# Altium PCB PowerSystem-v2.0.PcbDoc
Units mm, origin at the board's own origin, x right, y up, seen from the top; angles counter-clockwise.
Board outline 71.94 x 72 mm, 2 copper layers (Top Layer, Bottom Layer); 45 components, 23 nets, 232 pads, 7 vias.
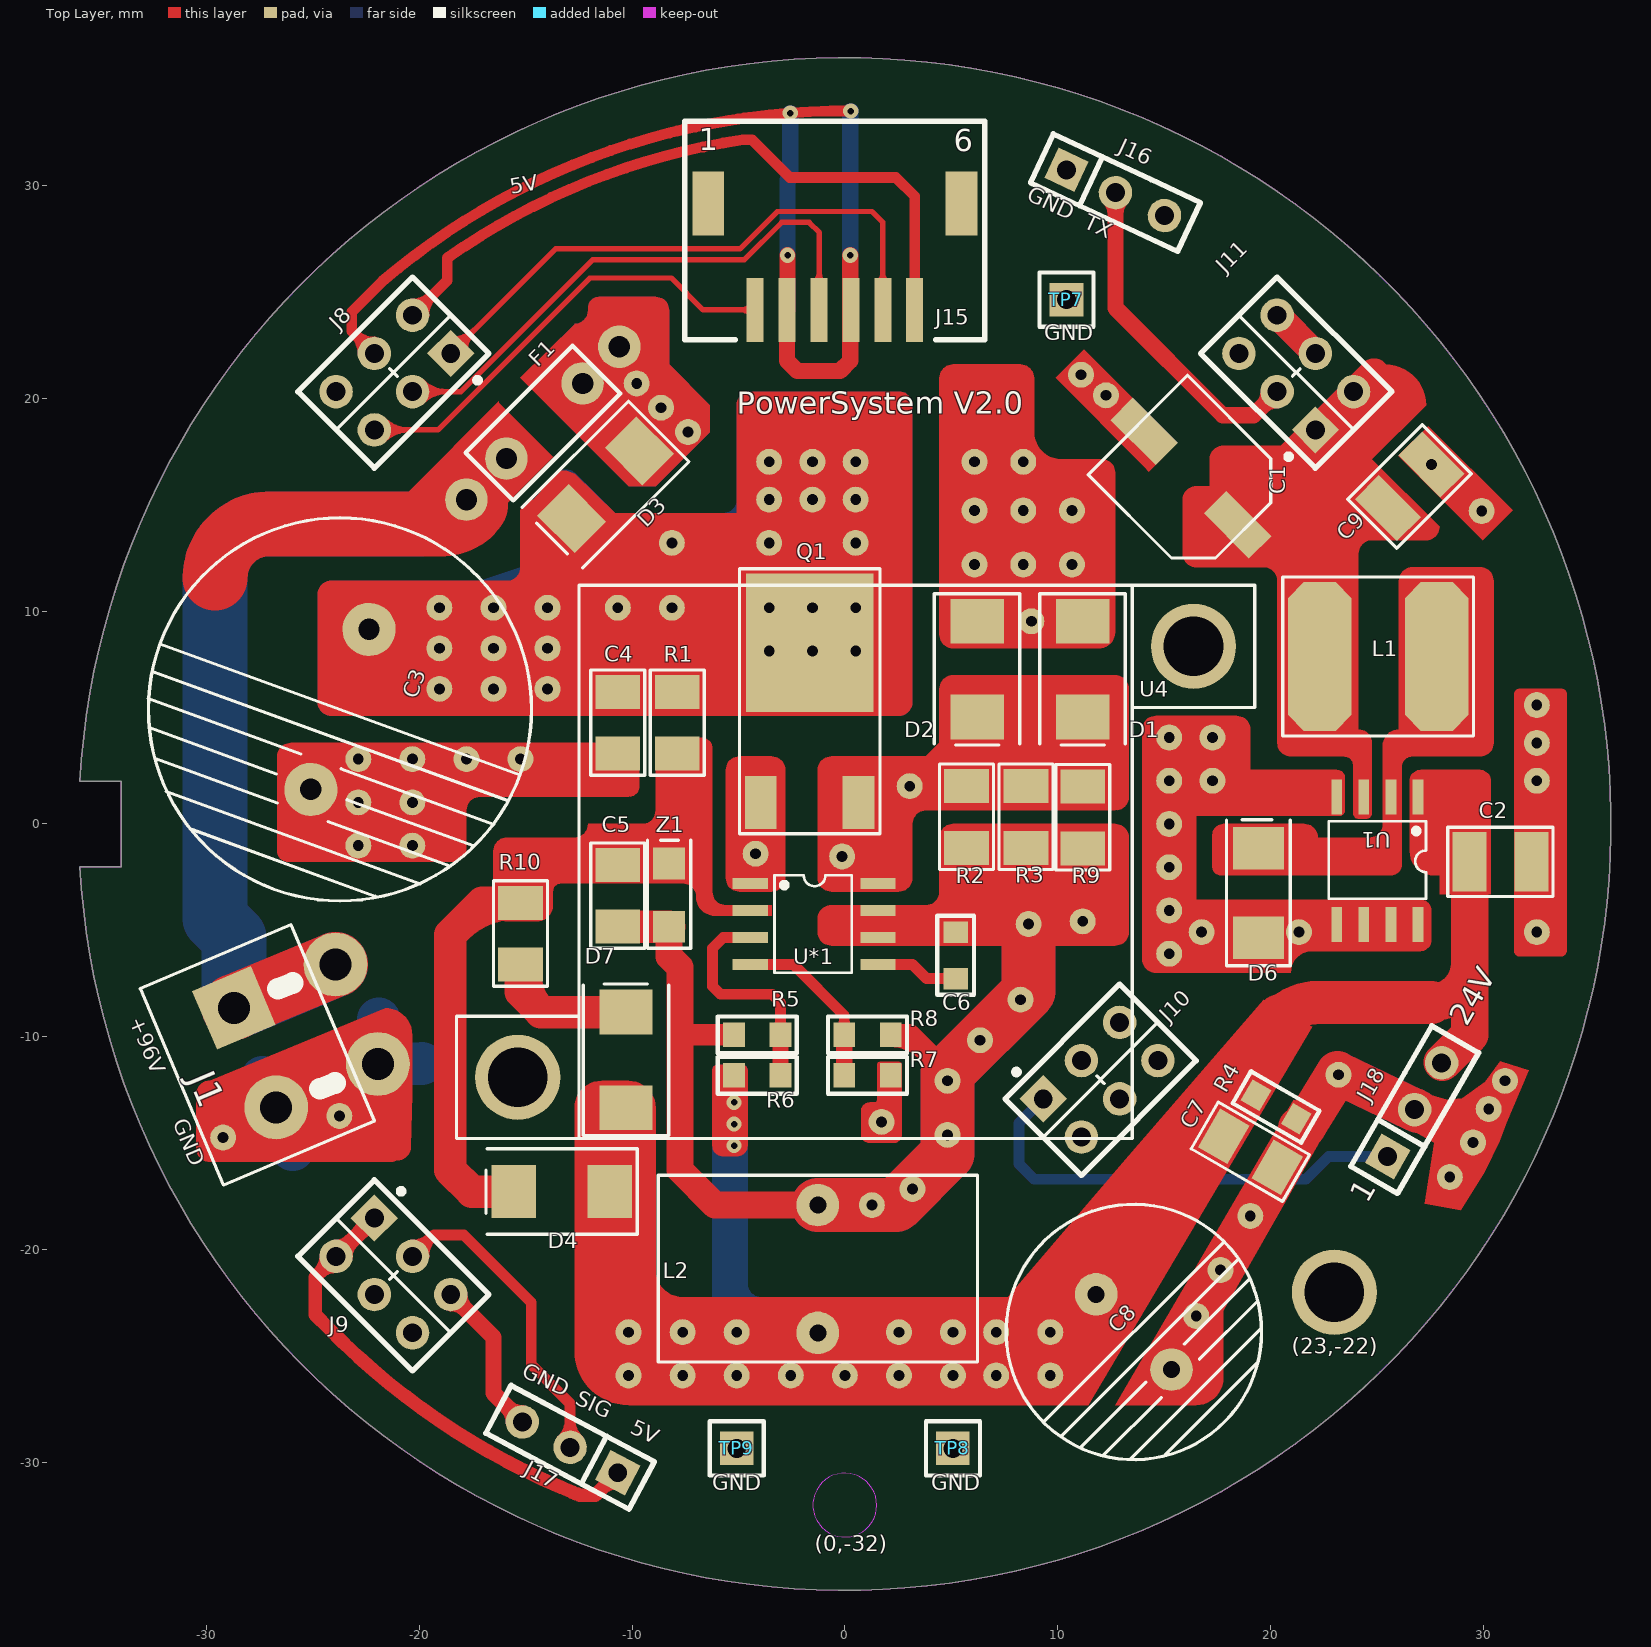
[diagram p0: Top Layer view]
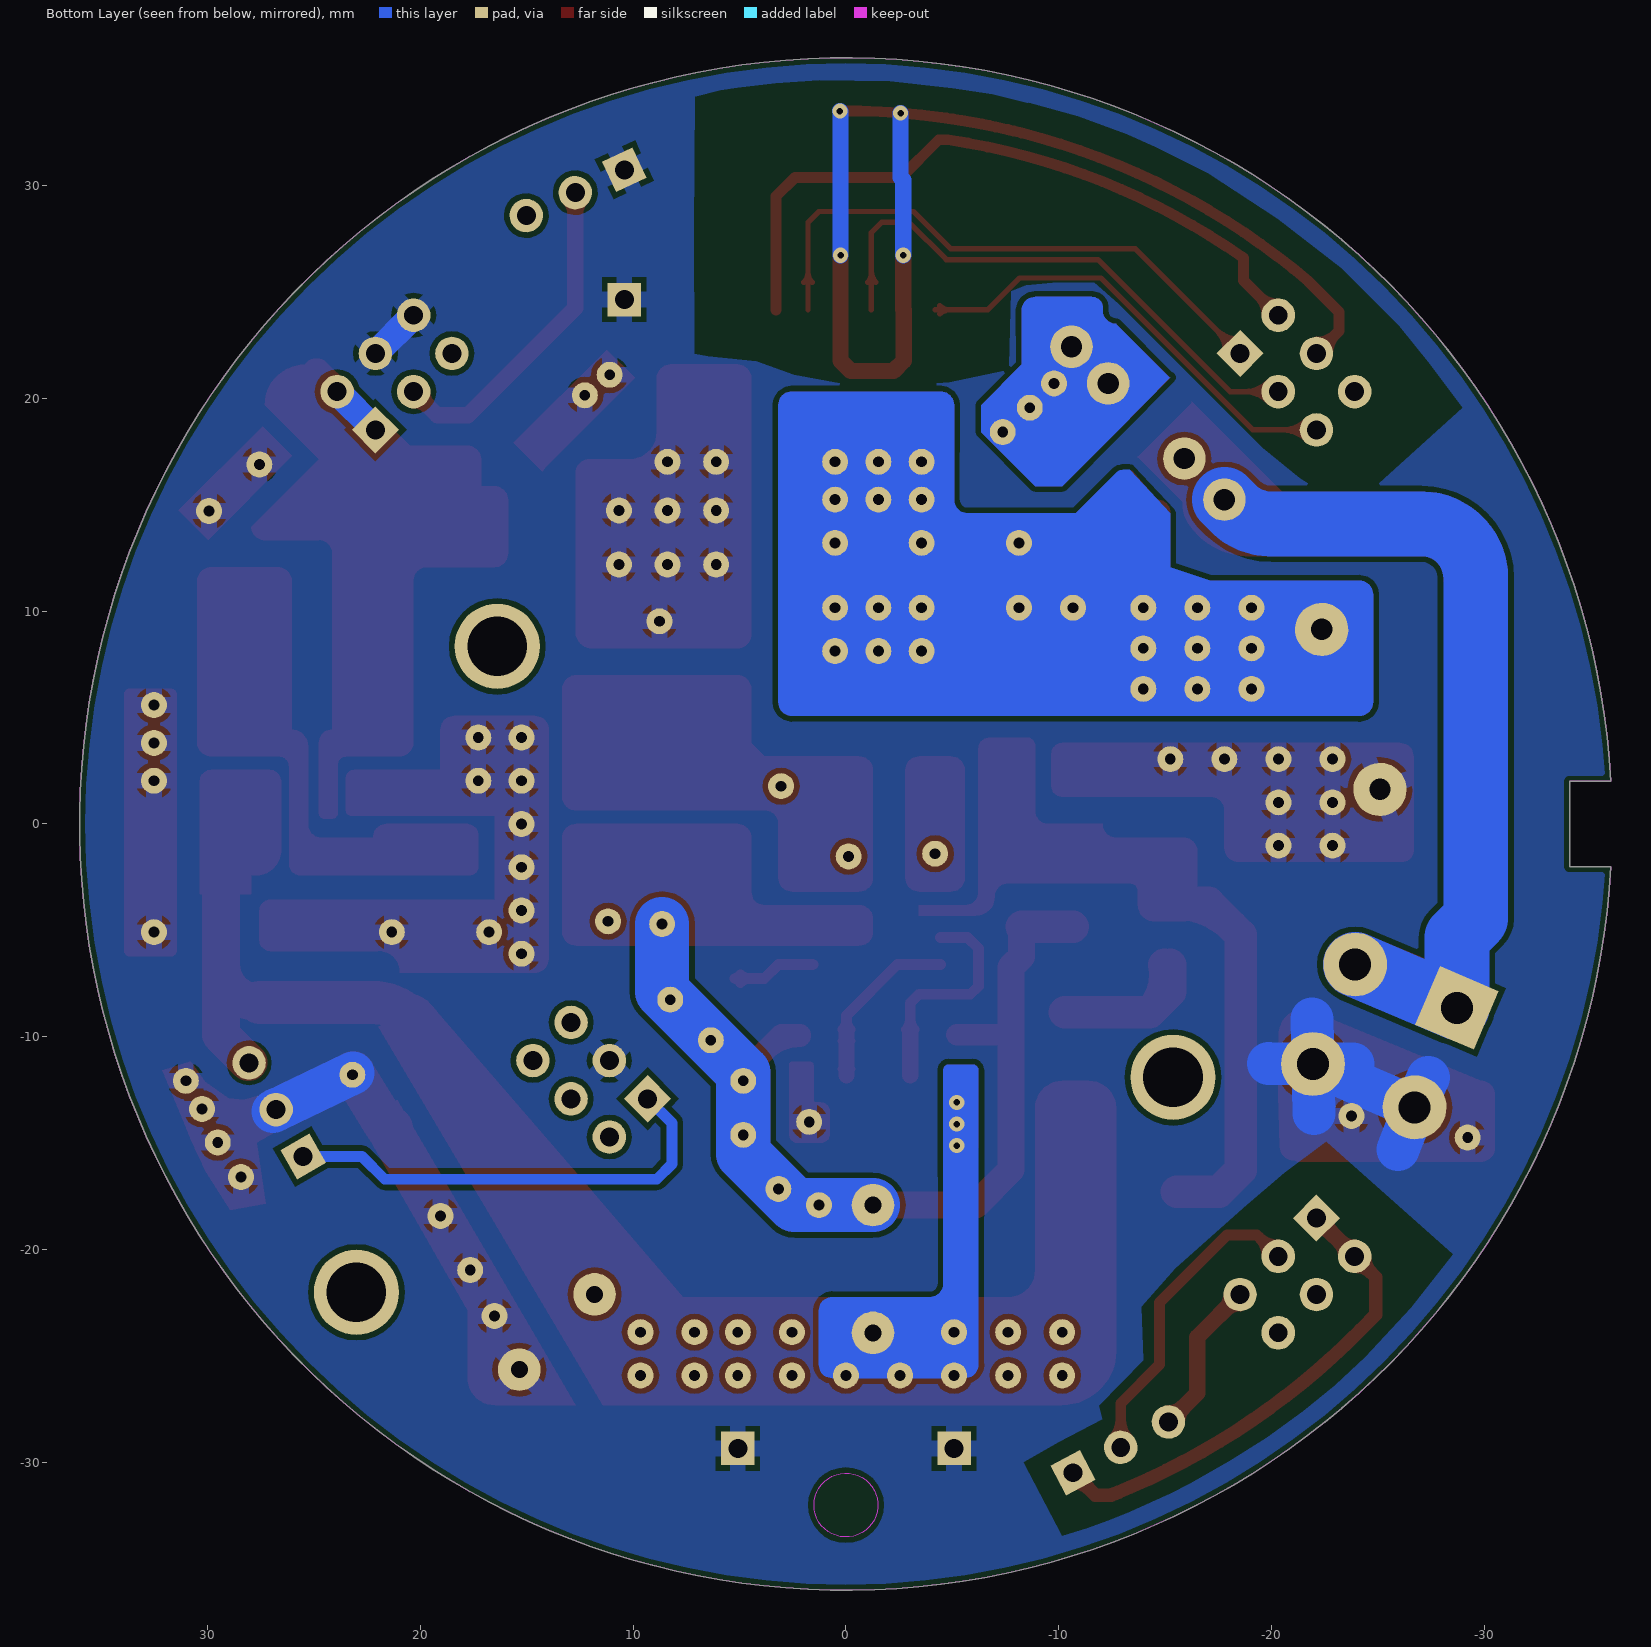
[diagram p1: Bottom Layer view, seen from below]

## Layer stack, top to bottom
Top Layer: signal copper 0.0356
Dielectric: dielectric 0.32, FR-4, Dk 4.8
Bottom Layer: signal copper 0.0356

## Board outline
-35.944,-2 -34,-2 -34,2 -35.944,2 cw(c0,0)

## Design rules (kind name [scope] priority, off if disabled: settings)
Clearance [All] p1: gap=0.254
ComponentClearance [All] p1: gap=-0.025 collisioncheckmode=3 verticalgap=-0.025 showdistances=FALSE
HoleSize [All] p1: absolutevalues=TRUE maxlimit=3.048 minlimit=0.025 maxpercent=80.000 minpercent=20.000
PlaneConnect [All] p1: planeconnectstyle=Relief reliefexpansion=0.508 reliefentries=4 reliefconductorwidth=0.762 reliefairgap=0.254
PolygonConnect [All] p1: connectstyle=Relief reliefconductorwidth=0.762 reliefentries=4 polygonreliefangle="90 Angle" airgapwidth=0.254
RoutingVias [All] p1: holewidth=0.711 width=1.27 viastyle="Through Hole" minholewidth=0.711 minwidth=1.27 maxholewidth=0.711 maxwidth=1.27
SilkToSilkClearance [All] p1: silktosilkclearance=-0.025
SolderMaskExpansion [All] p1: expansion=0.102
Width [All] p1: maxlimit=5.08 minlimit=0.254 preferedwidth=0.254 minimp=50.000000 maximp=50.000000 favimp=50.000000
24 further rules are at their usual default settings.

## Components (designator, comment, footprint, x,y, rotation, side; value= is the part's Value field where it differs from the comment)
C1 "100uF/16V" C+_6.3-7 14.986,17.526 r225 top
C2 "105/1210" 1210 32.258,-1.778 r180 top
C3 "330uF/250V" C-18-8 -22.352,9.144 r250 top locked
C4 "10uF/160V/1206" 1206 -10.668,3.302 r90 top
C5 "10uF/50V/1206" 1206 -10.668,-4.826 r90 top
C6 "4.7uF/0805" 0805 5.207,-5.08 r270 top
C7 "10uF/35V/1206" 1206 20.32,-16.129 r150 top
C8 "470uF/63V" C-12-5 11.811,-22.098 r315 top
C9 "105/1210" 1210 27.559,16.891 r225 top
D1 "SS510" DO-214AA 11.176,9.525 r270 top
D2 "SS510" DO-214AA 6.223,9.525 r270 top
D3 "S3M" S3M -9.652,17.526 r225 top
D4 "SS3200" S3M -11.049,-17.272 r180 top
D6 "SS34" SS34 19.431,-1.143 r270 top
D7 "BAV21W" S3M -10.287,-13.335 r90 top
F1 "FUSE" PPTC-10MM -17.78,15.24 r45 top
J1 "CON2" CON2-5.08 -28.702,-8.636 r293 top
J8 "CON3*2" CON3*2 -21.209,21.209 r225 top locked
J9 "CON3*2" CON3*2 -21.209,-21.209 r315 top locked
J10 "CON3*2" CON3*2 12.014,-12.014 r45 top locked
J11 "CON3*2" CON3*2 21.209,21.209 r135 top locked
J15 "CON6" CON6-1.5mm -4.216,24.155 r0 top
J16 "CON3" CON3 10.414,30.734 r335 top
J17 "CON3" CON3 -10.668,-30.48 r152 top
J18 "CON3" CON3 25.502,-15.621 r60 top
L1 "68uH/2A" L-CD75 27.813,7.874 r90 top
L2 "100uH/1mm" L-6MM -1.27,-17.907 r270 top locked
Q1 "HC080N10L" IRFR220N -1.651,1.016 r0 top
R1 "51K/1206" 1206 -7.874,3.302 r90 top
R2 "0R13/1%/1206" 1206 5.715,-1.122 r90 top
R3 "0R13/1%/1206" 1206 8.509,-1.122 r90 top
R4 "6.8K/0805" 0805 21.209,-13.843 r150 top
R5 "3.9K/1%/0805" 0805 -5.207,-9.906 r0 top
R6 "240K/1%/0805" 0805 -5.207,-11.811 r0 top
R7 "240K/1%/0805" 0805 2.159,-11.811 r180 top
R8 "3.9K/1%/0805" 0805 2.159,-9.906 r180 top
R9 "0R13/1%/1206" 1206 11.176,-1.143 r90 top
R10 "0R" 1206 -15.24,-6.604 r90 top
TP7 "TP" CON1 10.414,24.638 r0 top
TP8 "TP" CON1 5.08,-29.337 r0 top
TP9 "TP" CON1 -5.08,-29.337 r0 top
U1 "XL1509-5.0E1" XL1509 26.924,1.27 r180 top
U4 "FAN" FAN-26*26MM 0.508,-1.778 r180 top locked
U*1 "BZ1303A" BZ1303A -4.445,-2.794 r270 top
Z1 "27V/0.5W" SOD123 -8.255,-4.826 r90 top

## Footprints (in the part's own frame and the unit in brackets; to place one, negate y for a bottom-side part, rotate by r counter-clockwise, add the part's x,y. Pads: shape width x height; smd on the part's side, far side on the other; paste and mask are expansions set on the pad)
0805 [mil]
  rect 40x45 smd: 1(0,0) 2(86,0)
  silkscreen extent -30,-34 116,34
1206 [mm]
  rect 1.6x2.1 smd: 1(0,0) 2(2.9,0)
  silkscreen extent -1.02,-1.27 3.94,1.27
1210 [mm]
  rect 1.6x2.8 smd: 1(0,0) 2(2.9,0)
  silkscreen extent -1.02,-1.63 3.94,1.63
BZ1303A [mil]
  rect 20x65 smd: 1(0,0) 2(50,0) 3(100,0) 4(150,0) 5(150,236.22) 6(100,236.22) 7(50,236.22) 8(0,236.22)
  silkscreen extent -15,45 165,188
C+_6.3-7 [mm]
  rect 1.5x3 smd: A(0,4.9) K(0,-1.3)
  silkscreen extent -3.3,-1.73 3.3,5.27
C-12-5 [mm]
  round 2 hole 0.8: A(0,0) K(5,0)
  silkscreen extent -3.5,-6 8.5,6
C-18-8 [mm]
  round 2.5 hole 1: A(0,0) K(8,0)
  silkscreen extent -5,-9 13,9
CON1 [mil]
  rect 62x62 hole 35: 1(0,0)
  silkscreen extent -50,-50 50,50
CON2-5.08 [mm]
  rect 3x3 hole 1.5: 1(0,0)
  round 3 hole 1.5: 2(5.08,0)
  silkscreen extent -2.55,-3.7 7.48,4
CON3 [mil]
  rect 62x62 hole 35: 1(0,0)
  round 62 hole 35: 2(100,0) 3(200,0)
  silkscreen extent -50,-50 250,50
CON3*2 [mil]
  rect 62x62 hole 35: 1(-100,50)
  round 62 hole 35: 2(-100,-50) 3(0,50) 4(0,-50) 5(100,50) 6(100,-50)
  silkscreen extent -150,-100 150,125
CON6-1.5mm [mm]
  rect 0.8x3 smd: 1(0,0) 2(1.5,0) 3(3,0) 4(4.5,0) 5(6,0) 6(7.5,0)
  rect 1.5x3 smd: ""(-2.2,5) ""(9.7,5)
  silkscreen extent -3.3,-1.4 10.79,8.86
DO-214AA [mm]
  rect 2.1x2.5 smd: A(0,0) K(4.5,0)
  silkscreen extent -1.3,-2.02 5.82,2
FAN-26*26MM [mm]
  round 4 hole 2.8: 1(-15.875,-10.125) 2(15.875,10.125)
  silkscreen extent -18.75,-13 18.75,13
IRFR220N [mm]
  rect 6x6.5 smd: D(0,7.5)
  rect 1.5x2.5 smd: G(-2.3,0) S(2.3,0)
  silkscreen extent -3.3,-1.47 3.3,10.97
L-6MM [mm]
  round 2 hole 0.8: 1(0,0) 2(6,0)
  silkscreen extent -1.4,-7.5 7.37,7.5
L-CD75 [mm]
  oct 7x3 smd: 1(0,0) 2(0,5.5)
  silkscreen extent -3.73,-1.73 3.73,7.24
PPTC-10MM [mm]
  round 2 hole 1: 1(0,0) 2(10.16,0)
  silkscreen extent 1.52,-1.59 8.64,1.59
S3M [mm]
  rect 2.1x2.5 smd: A(0,0) K(4.5,0)
  silkscreen extent -1.3,-2.02 5.82,2
SOD123 [mm]
  rect 1.5x1.5 smd: A(0,0) K(2.972,0)
  silkscreen extent -1.02,-1.02 4.06,1.02
SS34 [mm]
  rect 2x2.4 smd: A(4.2,0) K(0,0)
  silkscreen extent -1.35,-1.5 5.51,1.5
XL1509 [mil]
  rect 20x65 smd: 1(0,0) 2(50,0) 3(100,0) 4(150,0) 5(150,236.22) 6(100,236.22) 7(50,236.22) 8(0,236.22)
  silkscreen extent -15,45 165,188

## Part data
C1 C3 C8: library part "C +"
C2 C4 C5 C6 C7 C9: library part C, "0603"
D1 D2 D3 D4 D7: library part D
D6 Z1: library part DI
L1 L2: library part L
Q1: library part MOS-N, "MOS-N"
R1 R2 R3 R4 R5 R6 R7 R8 R9 R10: library part R, "0603"

## Free pads (board coordinates)
  round 1.219 hole 0.508: 1(-29.21,-14.732) 1(-23.749,-13.716) 1(-22.86,-1.016) 1(-22.86,1.016) 1(-22.86,3.048) 1(-20.32,-1.016) 1(-20.32,1.016) 1(-20.32,3.048) 1(-19.05,6.35) 1(-19.05,8.255) 1(-19.05,10.16) 1(-17.78,3.048) 1(-16.51,6.35) 1(-16.51,8.255) 1(-16.51,10.16) 1(-15.24,3.048) 1(-13.97,6.35) 1(-13.97,8.255) 1(-13.97,10.16) 1(-10.668,10.16) 1(-10.16,-25.908) 1(-10.16,-23.876) 1(-9.779,20.701) 1(-8.636,19.558) 1(-8.128,10.16) 1(-8.128,13.208) 1(-7.62,-25.908) 1(-7.62,-23.876) 1(-7.366,18.415) 1(-5.08,-25.908) 1(-5.08,-23.876) 1(-4.191,-1.397) 1(-3.556,8.128) 1(-3.556,10.16) 1(-3.556,13.208) 1(-3.556,15.24) 1(-3.556,17.018) 1(-2.54,-25.908) 1(-1.524,8.128) 1(-1.524,10.16) 1(-1.524,15.24) 1(-1.524,17.018) 1(-0.127,-1.524) 1(0,-25.908) 1(0.508,8.128) 1(0.508,10.16) 1(0.508,13.208) 1(0.508,15.24) 1(0.508,17.018) 1(1.27,-17.907) 1(1.727,-13.995) 1(2.54,-25.908) 1(2.54,-23.876) 1(3.048,1.778) 1(3.175,-17.145) 1(4.826,-14.605) 1(4.826,-12.065) 1(5.08,-25.908) 1(5.08,-23.876) 1(6.096,12.192) 1(6.096,14.732) 1(6.096,17.018) 1(6.35,-10.16) 1(7.112,-25.908) 1(7.112,-23.876) 1(8.255,-8.255) 1(8.382,12.192) 1(8.382,14.732) 1(8.382,17.018) 1(8.636,-4.699) 1(8.763,9.525) 1(9.652,-25.908) 1(9.652,-23.876) 1(10.668,12.192) 1(10.668,14.732) 1(11.1,21.107) 1(11.176,-4.572) 1(12.268,20.142) 1(15.24,-6.096) 1(15.24,-4.064) 1(15.24,-2.032) 1(15.24,0) 1(15.24,2.032) 1(15.24,4.064) 1(16.51,-23.114) 1(16.764,-5.08) 1(17.272,2.032) 1(17.272,4.064) 1(17.653,-20.955) 1(19.05,-18.415) 1(21.336,-5.08) 1(23.19,-11.782) 1(27.559,16.891) 1(28.423,-16.586) 1(29.515,-14.961) 1(29.921,14.707) 1(30.251,-13.386) 1(31.013,-12.065) 1(32.512,-5.08) 1(32.512,2.032) 1(32.512,3.81) 1(32.512,5.588)
  round 3 hole 1.5: 1(-23.927,-6.604) 1(-21.942,-11.28)
  round 2 hole 1: 1(-15.9,17.17) 1(-12.319,20.701)
  round 4 hole 2.8: 1(23,-22)

## Via types
v1: diameter 0.711, hole 0.305, Top Layer to Bottom Layer, 7 vias

## Nets (pads, with @x,y where several pads share a name; then routed paths per layer and width w, separated by ;. In a path a pad name is that pad's centre, name@x,y a point inside that pad or via, vN(x,y) a via of type N, cw(c..) or ccw(c..) an arc to the next point about the centre after c; other vN are vias at no path point)
5V: C1.A C9.2 J11.1 J11.2 L1.2 U1.3 | length 11.1
  Top Layer w0.508: 18.058,17.042 20.142,17.042
  Top Layer w1.27: 20.142,17.042 20.634,17.042 J11.1 J11.2 24.827,21.234 24.917,21.234
  Bottom Layer w1.27: J11.1 J11.2
24V: C2.2 C7.2 C8.A D4.A D7.A J18.3 L2.2 pad.1@0,-25.908 pad.1@2.54,-23.876 pad.1@2.54,-25.908 pad.1@5.08,-23.876 pad.1@5.08,-25.908 pad.1@7.112,-23.876 pad.1@7.112,-25.908 pad.1@9.652,-23.876 pad.1@9.652,-25.908 pad.1@-2.54,-25.908 pad.1@-5.08,-23.876 pad.1@-5.08,-25.908 pad.1@-7.62,-23.876 pad.1@-7.62,-25.908 pad.1@-10.16,-23.876 pad.1@-10.16,-25.908 R4.2 R6.1 U1.1 | length 53
  Top Layer w1.778: 4.293,-26.365 4.318,-26.391 ; C8.A 15.494,-18.415 15.494,-15.707 ; 27.559,-8.382 ccw(c27.559,-6.583) 29.358,-6.583 ; J18.3@28.066,-11.197 29.358,-9.905 29.358,-6.583 ; C2.2 29.358,-6.583
  Top Layer w2.032: 20.465,-9.126 cw(c22.261,-10.922) 22.261,-8.382 27.559,-8.382
  Top Layer w2.286: 20.193,-9.398 20.465,-9.126
  Top Layer w2.54: -11.049,-21.59 -8.732,-23.907 L2.2 10.002,-23.907 C8.A
  other v1: -5.207,-15.113 -5.207,-14.097 -5.207,-13.081
GND: C1.K C2.1 C3.K C4.1 C7.1 C8.K C9.1 D1.A D2.A D6.A J1.2 J8.4 J9.5 J10.3 J11.4 J11.6 J15.2 J15.4 J16.1 J17.3 J18.2 pad.1@1.727,-13.995 pad.1@6.096,12.192 pad.1@6.096,14.732 pad.1@6.096,17.018 pad.1@8.382,12.192 pad.1@8.382,14.732 pad.1@8.382,17.018 pad.1@8.763,9.525 pad.1@10.668,12.192 pad.1@10.668,14.732 pad.1@11.1,21.107 pad.1@12.268,20.142 pad.1@15.24,0 pad.1@15.24,2.032 pad.1@15.24,4.064 pad.1@15.24,-2.032 pad.1@15.24,-4.064 pad.1@15.24,-6.096 pad.1@16.51,-23.114 pad.1@16.764,-5.08 pad.1@17.272,2.032 pad.1@17.272,4.064 pad.1@17.653,-20.955 pad.1@19.05,-18.415 pad.1@21.336,-5.08 pad.1@23.19,-11.782 pad.1@27.559,16.891 pad.1@28.423,-16.586 pad.1@29.515,-14.961 pad.1@29.921,14.707 pad.1@30.251,-13.386 pad.1@31.013,-12.065 pad.1@32.512,2.032 pad.1@32.512,3.81 pad.1@32.512,5.588 pad.1@32.512,-5.08 pad.1@-15.24,3.048 pad.1@-17.78,3.048 pad.1@-20.32,1.016 pad.1@-20.32,3.048 pad.1@-20.32,-1.016 pad.1@-21.942,-11.28 pad.1@-22.86,1.016 pad.1@-22.86,3.048 pad.1@-22.86,-1.016 pad.1@-23.749,-13.716 pad.1@-29.21,-14.732 R4.1 R7.1 TP7.1 TP8.1 TP9.1 U1.4 U1.5 U1.6 U1.7 U1.8 | length 110.6
  Top Layer w0.508: J8.4@-22.64,22.107 ccw(c-23.928,22.107) -23.018,23.018 ccw(c-22.107,23.928) J8.4@-22.107,22.64 ; J8.4 -23.165,23.165 -23.165,24.062 -21.734,25.493 cw(c0,0) -7.313,32.692 ; -7.882,32.559 cw(c0,0) -7.313,32.692 ; -6.741,32.815 ccw(c0,0) -7.313,32.692 ; -5.015,33.123 cw(c0,0) -4.436,33.205 ; v1(0.28,33.499) ccw(c0,0) -7.313,32.692
  Top Layer w0.762: J9.5@-18.515,-22.513 cw(c-18.515,-23.495) -17.821,-22.801 cw(c-17.127,-22.107) J9.5@-18.109,-22.107 ; J9.5 -16.51,-24.112 -16.51,-26.738 J17.3 ; J17.3@-15.56,-28.095 ccw(c-16.541,-28.095) -15.847,-27.401 ccw(c-15.153,-26.708) J17.3@-15.153,-27.689 ; v1(-2.692,26.721) -2.692,24.179 J15.2 -2.716,21.766 -2.235,21.285 -0.229,21.285 0.254,21.768 v1(0.254,26.721)
  Top Layer w1.27: J11.6 J11.4
  Top Layer w1.778: D2.A D1.A
  Top Layer w2.032: R4.1@21.358,-14.282 ccw(c21.227,-13.728) 21.711,-14.027 ; 21.59,-14.224 21.655,-14.118 23.15,-11.691 26.768,-13.428 J18.2@26.924,-13.503
  Bottom Layer w0.762: v1(-2.692,26.721) -2.692,30.251 -2.565,30.378 v1(-2.565,33.401) ; v1(0.254,26.721) 0.254,33.473 v1(0.28,33.499)
  Bottom Layer w1.27: J11.6 J11.4
  Bottom Layer w2.032: -27.356,-11.905 J1.2 ; -25.933,-15.291 J1.2 ; -23.825,-11.278 pad.1@-21.942,-11.28 ; -21.996,-13.589 -21.943,-11.322 pad.1@-21.942,-11.28 ; -19.863,-11.252 -21.942,-11.28 -21.893,-9.171 pad.1@-21.942,-11.28 ; pad.1@23.159,-11.696 26.768,-13.428 J18.2@26.924,-13.503 ; J1.2 -24.35,-12.305 pad.1@-21.942,-11.28
GP2Y1014_5V: J8.2 J15.6 | length 35.7
  Top Layer w0.508: J8.2 -18.681,25.533 -18.681,26.594 ; J8.2@-20.311,24.436 ccw(c-20.311,25.724) -19.4,24.814 ccw(c-18.49,23.903) J8.2@-19.778,23.903 ; -18.581,26.665 ccw(c0,0) -18.681,26.594 ; -5.355,32.056 cw(c0,0) -4.795,32.144 ; J15.6 3.284,29.489 2.395,30.378 -2.591,30.378 -4.357,32.144 -4.795,32.144 ; -18.681,26.594 cw(c0,0) -4.795,32.144
LED: J8.3 J15.3 | length 31.3
  Top Layer w0.254: J8.3 -18.043,20.311 -11.836,26.518 -4.717,26.518 -2.965,28.27 -1.676,28.27 -1.195,27.789 J15.3@-1.195,24.155 ; J8.3@-20.024,20.024 cw(c-19.33,19.33) -19.33,20.311 cw(c-19.33,21.292) J8.3@-20.024,20.598 ; J8.3@-19.844,19.844 cw(c-18.717,18.717) -18.717,20.311 cw(c-18.717,21.905) J8.3@-19.844,20.778 ; J15.3@-1.409,25.448 ccw(c-1.927,25.966) -1.195,25.966 ; -1.195,25.863 ccw(c-0.609,25.863) J15.3@-1.023,25.448
MG812_5V: J9.1 J9.2 J17.1 | length 30.7
  Top Layer w0.635: J9.2@-24.373,-20.311 cw(c-25.507,-20.311) -24.705,-21.113 cw(c-23.903,-21.915) J9.2@-23.903,-20.781 ; J9.2 -24.892,-21.3 -24.892,-23.047 -24.227,-23.712 ; -23.81,-24.131 cw(c0,0) -24.227,-23.712 ; -12.812,-31.386 ccw(c0,0) -12.459,-31.528 ; J17.1@-11.138,-30.48 cw(c-12.272,-30.48) -11.47,-31.282 cw(c-10.668,-32.084) J17.1@-10.668,-30.95 ; J17.1 -11.716,-31.528 -12.459,-31.528 ; -24.227,-23.712 ccw(c0,0) -12.459,-31.528
  Top Layer w0.762: J9.2 J9.1 ; J9.2@-23.903,-19.905 ccw(c-23.903,-18.923) -23.209,-19.617 ccw(c-22.516,-20.311) J9.2@-23.497,-20.311 ; J9.1@-22.513,-18.515 cw(c-23.495,-18.515) -22.801,-19.209 cw(c-22.107,-19.902) J9.1@-22.107,-18.921
MG812_SIG: J9.3 J17.2 | length 18.9
  Top Layer w0.508: J9.3 -19.304,-19.304 -17.907,-19.304 -14.732,-22.479 -14.732,-25.4 -12.911,-27.221 J17.2 ; J9.3@-20.311,-19.778 ccw(c-20.311,-18.49) -19.4,-19.4 ccw(c-18.49,-20.311) J9.3@-19.778,-20.311 ; J17.2@-13.288,-28.91 ccw(c-14.198,-28) -12.911,-28 ccw(c-11.623,-28) J17.2@-12.534,-28.91
MOTOR_PWM_OUT: J10.1 J18.1 | length 21.6
  Bottom Layer w0.508: J10.1 8.179,-14.054 8.179,-15.977 8.89,-16.688 21.666,-16.688 22.733,-15.621 J18.1
NetC3_A: C3.A C4.2 D3.K pad.1@0.508,8.128 pad.1@0.508,10.16 pad.1@0.508,13.208 pad.1@0.508,15.24 pad.1@0.508,17.018 pad.1@-1.524,8.128 pad.1@-1.524,10.16 pad.1@-1.524,15.24 pad.1@-1.524,17.018 pad.1@-3.556,8.128 pad.1@-3.556,10.16 pad.1@-3.556,13.208 pad.1@-3.556,15.24 pad.1@-3.556,17.018 pad.1@-8.128,10.16 pad.1@-8.128,13.208 pad.1@-10.668,10.16 pad.1@-13.97,6.35 pad.1@-13.97,8.255 pad.1@-13.97,10.16 pad.1@-16.51,6.35 pad.1@-16.51,8.255 pad.1@-16.51,10.16 pad.1@-19.05,6.35 pad.1@-19.05,8.255 pad.1@-19.05,10.16 Q1.D R1.2
NetC5_1: C5.1 C6.1 L2.1 pad.1@1.27,-17.907 pad.1@3.175,-17.145 pad.1@4.826,-12.065 pad.1@4.826,-14.605 pad.1@6.35,-10.16 pad.1@8.255,-8.255 pad.1@8.636,-4.699 pad.1@11.176,-4.572 R2.1 R3.1 R5.1 R8.1 R9.1 U*1.6 U*1.7 Z1.A | length 68.7
  Top Layer w1.016: -7.62,-9.906 R5.1 ; R8.1@2.159,-9.97 cw(c2.159,-12.269) 3.785,-10.643 ; R8.1 3.048,-9.906 pad.1@4.826,-11.684 ; 4.383,-11.241 cw(c3.559,-12.065) pad.1@4.724,-12.065
  Top Layer w1.27: Z1.A -8.255,-6.223 -7.747,-6.731 -7.747,-16.256 -6.096,-17.907 L2.1
  Top Layer w1.524: C5.1 Z1.A
  Top Layer w2.54: L2.1 2.413,-17.907 4.826,-15.494 4.826,-11.684 8.636,-7.874 pad.1@8.636,-4.699
  Bottom Layer w2.54: L2.1 2.413,-17.907 4.826,-15.494 4.826,-11.684 8.636,-7.874 pad.1@8.636,-4.699
NetC5_2: C5.2 D4.K R1.1 R10.2 U*1.2 Z1.K | length 21.4
  Top Layer w1.524: -18.199,-4.864 cw(c-15.49,-7.573) R10.2@-15.49,-3.742 ; D4.K -17.526,-17.272 -18.542,-16.256 -18.542,-6.731 -18.542,-5.207 -17.039,-3.704 R10.2
NetC6_2: C6.2 U*1.5 | length 4.9
  Top Layer w0.508: U*1.5 3.175,-6.604 3.835,-7.264 C6.2 ; C6.2@4.964,-7.444 ccw(c4.53,-7.878) 4.53,-7.264 ccw(c4.53,-6.651) C6.2@4.964,-7.085
NetD1_K: D1.K D2.K pad.1@3.048,1.778 pad.1@-0.127,-1.524 Q1.S R2.2 R3.2 R9.2 U*1.8
NetD3_A: D3.A F1.2 pad.1@-7.366,18.415 pad.1@-8.636,19.558 pad.1@-9.779,20.701 pad.1@-12.319,20.701 | length 1.7
  Bottom Layer w2.032: F1.2 -9.398,23.622
NetD6_K: D6.K L1.1 U1.2
NetD7_K: D7.K R10.1 | length 9
  Top Layer w1.524: R10.1 -15.24,-7.874 -14.279,-8.835 ; R10.1@-14.953,-6.611 ccw(c-12.538,-7.094) -14.279,-8.835 ; D7.K -14.279,-8.835
NetF1_1: F1.1 J1.1 pad.1@-15.9,17.17 pad.1@-23.927,-6.604 | length 62.5
  Top Layer w3.048: -29.591,11.557 cw(c-27.051,11.557) -27.051,14.097 -18.923,14.097 ; J1.1 -28.702,-8.571 pad.1@-23.927,-6.604 ; -19.274,14.097 ccw(c-19.274,16.734) F1.1@-17.409,14.869 ; F1.1 cw(c-18.923,15.24) -18.923,14.097 ; F1.1@-17.341,14.954 cw(c-18.923,15.986) -18.923,14.097
  Bottom Layer w3.048: pad.1@-23.927,-6.604 J1.1 -28.702,-5.334 -29.591,-4.445 -29.591,11.557 cw(c-27.051,11.557) -27.051,14.097 -19.975,14.097 ccw(c-19.975,16.637) -18.179,14.841 F1.1
NetQ1_G: pad.1@-4.191,-1.397 Q1.G U*1.1
NetR5_2: R5.2 R6.2 U*1.3 | length 11.7
  Top Layer w0.508: U*1.3 -5.715,-5.334 -6.223,-5.842 -6.223,-7.62 -5.842,-8.001 -3.429,-8.001 -3.023,-8.407 R5.2 ; R5.2@-3.202,-9.663 ccw(c-3.636,-9.229) -3.023,-9.229 ccw(c-2.409,-9.229) R5.2@-2.843,-9.663
  Top Layer w0.762: R6.2 R5.2
NetR7_2: R7.2 R8.2 U*1.4 | length 13.4
  Top Layer w0.381: R7.2@-0.25,-11.523 ccw(c-0.547,-11.226) -0.127,-11.226 ; R8.2@-0.25,-10.194 cw(c-0.547,-10.491) -0.127,-10.491 ; R7.2@-0.127,-11.709 R8.2@-0.127,-9.906 ; -0.127,-10.981 cw(c0.986,-10.981) R8.2@0.199,-10.194 ; -0.127,-10.736 ccw(c0.986,-10.736) R7.2@0.199,-11.523
  Top Layer w0.508: U*1.4 -2.413,-6.604 -0.025,-8.992 R8.2 ; R8.2@-0.205,-9.663 ccw(c-0.639,-9.229) -0.025,-9.229 ccw(c0.588,-9.229) R8.2@0.154,-9.663
  Top Layer w0.762: R7.2 R8.2
UART_TX: J11.3 J16.2 | length 18.6
  Top Layer w0.762: J16.2@12.429,29.373 cw(c11.735,28.679) 12.716,28.679 cw(c13.697,28.679) J16.2@13.003,29.373 ; J16.2 12.716,24.241 17.755,19.202 19.202,19.202 J11.3 ; J11.3@19.905,20.311 cw(c18.923,20.311) 19.617,19.617 cw(c20.311,18.923) J11.3@20.311,19.905
V-LED: J8.5 J15.1 | length 26.6
  Top Layer w0.254: J8.5 -19.121,18.515 -11.982,25.654 -8.153,25.654 -6.655,24.155 J15.1 J15.1@-4.191,24.155 ; J8.5@-21.82,18.228 cw(c-21.126,17.534) -21.126,18.515 cw(c-21.126,19.496) J8.5@-21.82,18.802 ; J8.5@-21.64,18.048 cw(c-20.513,16.921) -20.513,18.515 cw(c-20.513,20.109) J8.5@-21.64,18.982 ; J15.1@-4.409,23.962 ccw(c-4.875,23.496) -4.875,24.155 ccw(c-4.875,24.814) J15.1@-4.409,24.348
VO: J8.1 J15.5 | length 32.5
  Top Layer w0.254: J8.1 -13.596,27.026 -4.928,27.026 -3.175,28.778 1.27,28.778 1.784,28.265 J15.5 ; J8.1@-18.515,22.513 ccw(c-18.515,23.495) -17.821,22.801 ccw(c-17.127,22.107) J8.1@-18.109,22.107 ; J8.1@-18.515,22.767 ccw(c-18.515,24.362) -17.388,23.234 ccw(c-16.26,22.107) J8.1@-17.855,22.107 ; J15.5@1.591,25.448 ccw(c1.125,25.914) 1.784,25.914 ccw(c2.443,25.914) J15.5@1.977,25.448
pads on no net: J8.6 J9.4 J9.6 J10.2 J10.4 J10.5 J10.6 J11.5 J15. J16.3 U4.1 U4.2

## Polygon pours and split planes (outlines as drawn)
GND on Bottom Layer "Bottom Layer-No Net" (solid, remove dead copper, pour order 4): -38.1,38.1 38.1,38.1 38.1,-38.1 -38.1,-38.1 -38.1,38.1

## Keep-outs
Keep-Out Layer:
  circle w0.025: c0,-32 r1.5
  lines w0.025: -35.944,-2 ccw(c0,0) -35.944,2 -34,2 -34,-2 -35.944,-2

## Other copper
Top Layer:
  region net GND: 26.01,17.297 29.972,13.335 31.369,14.732 27.407,18.694
  region net GND: 31.445,2.515 33.223,2.515 33.223,-5.207 31.445,-5.207
  region net GND: 15.621,17.907 11.242,22.286 11.227,22.276 9.906,20.955 14.097,16.764 14.275,16.561
  region net GND: 25.654,-13.818 27.686,-14.986 27.254,-17.831 28.931,-18.136 30.074,-16.332 30.759,-14.884 31.078,-14.065 32.129,-11.572 30.785,-11.151 30.099,-12.116 29.007,-12.878 28.296,-12.954 26.441,-12.421 26.289,-12.675
  region net NetD3_A: -12.7,23.483 -15.24,20.955 -12.7,18.415
  region net NetF1_1: -13.691,17.221 -16.256,19.787 -16.256,19.863 -20.523,15.596 -20.549,15.596 -18.517,13.564 -17.348,13.564 -17.348,13.589 -13.691,17.247
  region net GND: 31.445,6.096 cw(c31.699,6.096) 31.699,6.35 33.68,6.35 cw(c33.68,6.121) 33.909,6.121 33.909,-5.969 cw(c33.655,-5.969) 33.655,-6.223 31.699,-6.223 cw(c31.699,-5.969) 31.445,-5.969
  region net GND: 13.964,1.46 13.964,4.439 cw(c14.605,4.439) 14.605,5.08 18.415,5.08 cw(c18.415,4.445) 19.05,4.445 19.05,1.016 cw(c18.669,1.016) 18.669,0.635 14.351,0.635 cw(c14.351,1.016) 13.97,1.016 13.97,1.46
  region net GND: 16.51,-6.985 14.605,-6.985 cw(c14.605,-6.35) 13.97,-6.35 13.97,1.46 15.938,1.46 cw(c15.938,0.889) 16.51,0.889
  region net GND: 12.7,-27.305 21.082,-12.954 22.86,-13.97 17.78,-22.86 17.78,-26.035 cw(c16.51,-26.035) 16.51,-27.305
  region net 24V: 19.685,-8.255 13.208,-15.748 7.645,-22.225 -7.62,-22.225 cw(c-7.62,-20.955) -8.89,-20.955 -8.89,-13.335 ccw(c-10.16,-13.335) -10.16,-12.065 -11.43,-12.065 ccw(c-11.43,-13.335) -12.7,-13.335 -12.7,-24.765 ccw(c-10.16,-24.765) -10.16,-27.305 11.43,-27.305 21.971,-9.525
  region net 24V: -4.826,-11.303 cw(c-4.826,-11.557) -4.572,-11.557 -4.572,-15.113 cw(c-5.08,-15.113) -5.08,-15.621 -5.715,-15.621 cw(c-5.715,-15.113) -6.223,-15.113 -6.223,-11.557 cw(c-5.969,-11.557) -5.969,-11.303
  region net GND: 27.559,-4.064 ccw(c27.051,-4.064) 27.051,-3.556 15.748,-3.556 ccw(c15.748,-4.064) 15.24,-4.064 15.24,-6.35 ccw(c15.875,-6.35) 15.875,-6.985 20.955,-6.985 cw(c21.971,-6.985) 21.971,-5.969 27.051,-5.969 ccw(c27.051,-5.461) 27.559,-5.461
  region net NetQ1_G: -4.953,-3.175 cw(c-4.953,-2.54) -5.588,-2.54 -5.588,2.54 cw(c-4.953,2.54) -4.953,3.175 -3.429,3.175 cw(c-3.429,2.54) -2.794,2.54 -2.794,-2.54 cw(c-3.429,-2.54) -3.429,-3.175
  region net 24V: 26.543,2.032 cw(c27.051,2.032) 27.051,2.54 29.845,2.54 cw(c29.845,2.032) 30.353,2.032 30.353,-3.302 27.94,-3.302 27.94,-2.413 27.686,-2.413 cw(c27.686,-1.27) 26.543,-1.27
  region net NetD6_K: 17.78,0 21.59,0 cw(c21.59,-0.635) 22.225,-0.635 24.638,-0.635 ccw(c24.638,0) 25.273,0 25.273,0.762 26.162,0.762 26.162,-1.905 cw(c25.654,-1.905) 25.654,-2.413 17.653,-2.413 cw(c17.653,-2.032) 17.272,-2.032 17.272,-0.508 cw(c17.78,-0.508)
  region net 5V: 24.13,0.254 cw(c24.13,0.508) 23.876,0.508 23.876,2.782 ccw(c23.495,2.782) 23.495,3.163 23.495,3.81 cw(c24.13,3.81) 24.13,4.445 cw(c24.13,3.81) 24.765,3.81 24.765,0.508 cw(c24.511,0.508) 24.511,0.254
  region net 5V: 25.4,21.59 21.59,17.78 17.78,17.78 ccw(c17.78,17.145) 17.145,17.145 17.145,15.875 16.51,15.875 ccw(c16.51,15.24) 15.875,15.24 15.875,12.7 ccw(c16.51,12.7) 16.51,12.065 19.685,12.065 cw(c19.685,11.43) 20.32,11.43 20.32,3.81 ccw(c20.955,3.81) 20.955,3.175 23.495,3.175 ccw(c23.495,3.81) 24.13,3.81 24.13,12.7 cw(c24.765,12.7) 24.765,13.335 27.305,13.335 ccw(c27.305,13.97) 27.94,13.97 24.765,17.145 27.305,19.685 ccw(c25.4,19.685)
  region net NetD6_K: 26.162,0.508 26.162,2.667 cw(c26.67,2.667) 26.67,3.175 29.845,3.175 ccw(c29.845,3.81) 30.48,3.81 30.48,11.43 ccw(c29.845,11.43) 29.845,12.065 26.67,12.065 ccw(c26.67,11.43) 26.035,11.43 26.035,4.445 ccw(c26.035,3.683) 25.273,3.683 25.273,0.508 ccw(c25.527,0.508) 25.527,0.254 25.908,0.254 ccw(c25.908,0.508)
  region net NetC3_A: -24.13,5.08 2.54,5.08 ccw(c2.54,5.715) 3.175,5.715 3.175,13.97 ccw(c2.54,13.97) 2.54,14.605 -10.795,14.605 -12.7,16.459 -13.056,16.586 -13.462,16.586 -14.613,15.248 ccw(c-14.613,14.613) -15.248,14.613 -15.24,12.065 cw(c-15.875,12.065) -15.875,11.43 -24.13,11.43 ccw(c-24.13,10.795) -24.765,10.795 -24.765,5.715 ccw(c-24.13,5.715)
  region net NetD1_K: 12.7,0.635 ccw(c12.7,1.27) 13.335,1.27 13.335,6.35 ccw(c12.7,6.35) 12.7,6.985 5.08,6.985 ccw(c5.08,6.35) 4.445,6.35 4.445,3.81 3.81,3.175 -0.635,3.175 ccw(c-0.635,2.54) -1.27,2.54 -1.27,-2.54 ccw(c-0.635,-2.54) -0.635,-3.175 2.54,-3.175 ccw(c2.54,-2.54) 3.175,-2.54 3.175,0 cw(c3.81,0) 3.81,0.635
  region net NetC5_1: -0.635,-3.81 3.81,-3.81 ccw(c3.81,-3.175) 4.445,-3.175 4.445,-0.635 cw(c5.08,-0.635) 5.08,0 12.7,0 cw(c12.7,-0.635) 13.335,-0.635 13.335,-5.08 cw(c12.7,-5.08) 12.7,-5.715 -0.635,-5.715 cw(c-0.635,-5.08) -1.27,-5.08 -1.27,-4.445 cw(c-0.635,-4.445)
  region net NetC5_2: -3.429,-3.81 -5.588,-3.81 cw(c-5.588,-3.175) -6.223,-3.175 -6.223,3.556 ccw(c-6.731,3.556) -6.731,4.064 -8.509,4.064 ccw(c-8.509,3.683) -8.89,3.683 -8.89,0.635 cw(c-9.525,0.635) -9.525,0 -12.065,0 cw(c-12.7,0) -12.7,-0.635 -15.875,-0.635 ccw(c-15.875,-1.27) -16.51,-1.27 -16.51,-3.937 ccw(c-15.875,-3.937) -15.875,-4.572 -14.478,-4.572 ccw(c-14.478,-3.81) -13.716,-3.81 -13.716,-3.175 cw(c-13.335,-3.175) -13.335,-2.794 -7.62,-2.794 cw(c-7.62,-3.429) -6.985,-3.429 ccw(c-6.096,-3.429) -6.096,-4.318 -3.429,-4.318
  region net GND: 23.495,0.635 cw(c23.241,0.635) 23.241,0.381 14.605,0.381 cw(c14.605,1.016) 13.97,1.016 13.97,1.905 cw(c14.605,1.905) 14.605,2.54 23.114,2.54 cw(c23.114,2.159) 23.495,2.159
  region net GND: 5.08,8.255 cw(c5.08,8.89) 4.445,8.89 4.445,15.875 cw(c5.08,15.875) 5.08,16.51 12.065,16.51 cw(c12.065,15.875) 12.7,15.875 12.7,9.017 cw(c11.938,9.017) 11.938,8.255
  region net GND: -29.845,-12.065 ccw(c-29.845,-12.7) -30.48,-12.7 -30.48,-15.24 ccw(c-29.845,-15.24) -29.845,-15.875 -21.209,-15.875 -21.023,-15.807 ccw(c-21.023,-15.172) -20.388,-15.172 -20.32,-12.7 -20.32,-11.303 -20.329,-9.915 ccw(c-21.599,-9.915) -21.599,-8.645
  region net GND: -26.67,3.175 cw(c-26.035,3.175) -26.035,3.81 -10.16,3.81 cw(c-10.16,3.302) -9.652,3.302 -9.652,1.778 cw(c-10.16,1.778) -10.16,1.27 -17.145,1.27 ccw(c-17.145,0.635) -17.78,0.635 -17.78,-1.143 cw(c-18.415,-1.143) -18.415,-1.778 -26.162,-1.778 cw(c-26.162,-1.27) -26.67,-1.27
  region net GND: 2.667,-11.303 2.667,-14.605 cw(c2.286,-14.605) 2.286,-14.986 1.905,-14.986 cw(c1.905,-14.605) 1.524,-14.605 1.524,-11.303 cw(c1.651,-11.303) 1.651,-11.176 2.54,-11.176 cw(c2.54,-11.303)
  region net GND: 2.36,-14.979 1.136,-14.979 cw(c1.136,-14.605) 0.762,-14.605 0.762,-13.487 cw(c1.168,-13.487) 1.168,-13.081 1.392,-13.081 ccw(c1.392,-12.954) 1.519,-12.954
  region net GND: 4.445,14.605 4.445,20.955 cw(c5.08,20.955) 5.08,21.59 8.255,21.59 cw(c8.255,20.955) 8.89,20.955 8.89,18.415 ccw(c10.16,18.415) 10.16,17.145 12.065,17.145 cw(c12.065,16.51) 12.7,16.51 12.7,14.605
  region net NetD3_A: -8.89,15.875 -6.35,18.415 -6.35,19.685 -8.255,21.59 -8.255,24.13 ccw(c-8.89,24.13) -8.89,24.765 -11.557,24.765 ccw(c-11.557,24.257) -12.065,24.257 -12.065,24.13 cw(c-12.7,24.13) -12.7,23.495 -12.7,18.415 -10.16,15.875
  region net NetC3_A: 3.175,13.335 3.175,19.685 ccw(c2.54,19.685) 2.54,20.32 -4.445,20.32 ccw(c-4.445,19.685) -5.08,19.685 -5.08,13.335
Bottom Layer:
  pour cut-out: -22.577,-14.92 -20.625,-16.383 -18.847,-17.882 -15.494,-20.879 -13.894,-22.682 -13.995,-25.197 -11.913,-27.33 -12.065,-27.965 -10.008,-29.058 -8.357,-29.997 -10.16,-33.452 -11.303,-33.096 -12.344,-32.715 -13.335,-32.309 -14.326,-31.877 -15.265,-31.445 -16.18,-30.963 -17.983,-29.947 -19.736,-28.829 -21.463,-27.584 -22.962,-26.365 -24.384,-25.044 -26.543,-22.733 -28.499,-20.218
  pour cut-out: 7.137,27.889 7.112,22.098 6.477,21.971 4.191,21.742 2.438,21.107 0.229,20.701 -2.108,20.599 -4.851,20.752 -7.645,21.336 -7.747,25.019 -8.458,25.324 -9.703,25.425 -11.659,25.451 -12.827,24.435 -19.583,17.678 -21.336,16.256 -23.622,14.732 -28.956,19.558 -27.432,21.59 -25.984,23.419 -23.266,26.111 -20.269,28.448 -16.993,30.582 -14.554,31.801 -13.183,32.41 -10.897,33.249 -8.585,33.884 -8.585,33.858 -6.883,34.29 -5.004,34.569 -2.057,34.9 -2.032,34.9 1.219,34.95 3.302,34.798 5.08,34.595 5.893,34.468 7.087,34.163
  region net NetD3_A: -12.7,23.483 -15.215,20.955 -15.24,20.98 -12.7,18.415
  region net NetC3_A: -24.765,8.89 -24.765,10.795 cw(c-24.13,10.795) -24.13,11.43 -17.145,11.43
  region net NetC3_A: -24.765,8.89 -24.765,5.715 ccw(c-24.13,5.715) -24.13,5.08 2.54,5.08 ccw(c2.54,5.715) 3.175,5.715 3.175,19.685 ccw(c2.54,19.685) 2.54,20.32 -4.445,20.32 ccw(c-4.445,19.685) -5.08,19.685 -5.08,15.24 cw(c-5.715,15.24) -5.715,14.605 -10.795,14.605 -12.7,16.51 ccw(c-13.007,16.203) -13.007,16.637 -13.335,16.637 -15.24,14.605 -15.24,12.065
  region net 24V: -6.223,-11.557 cw(c-5.969,-11.557) -5.969,-11.303 -4.826,-11.303 cw(c-4.826,-11.557) -4.572,-11.557 -4.572,-21.59 ccw(c-3.937,-21.59) -3.937,-22.225 0.635,-22.225 cw(c0.635,-22.86) 1.27,-22.86 1.27,-25.4 cw(c0.635,-25.4) 0.635,-26.035 -5.588,-26.035 cw(c-5.588,-25.4) -6.223,-25.4
  region net NetD3_A: -8.89,15.875 -6.35,18.415 -6.35,19.685 -8.255,21.59 -8.255,24.13 ccw(c-8.89,24.13) -8.89,24.765 -11.557,24.765 ccw(c-11.557,24.257) -12.065,24.257 -12.065,24.13 cw(c-12.7,24.13) -12.7,23.495 -12.7,18.415 -10.16,15.875

## Silkscreen, mask and mechanical layers (free items; w line width, h text height)
Top Overlay:
  lines w1.016: -26.645,-7.747 -25.933,-7.468 ; -24.663,-12.446 -23.952,-12.167
  text "1" at -6.858,31.293 h1.78
  text "6" at 5.105,31.267 h1.78
  text "5V" at -15.621,29.337 h1.27 r10
  text "GND" at 8.382,29.083 h1.27 r335
  text "TX" at 11.049,27.813 h1.27 r335
  text "GND" at 9.373,22.479 h1.27
  text "PowerSystem V2.0" at -5.08,18.923 h1.78
  text "+96V" at -33.884,-9.347 h1.27 r293
  text "24V" at 29.515,-9.728 h1.78 r60
  text "GND" at -31.826,-14.122 h1.27 r293
  text "1" at 24.841,-18.059 h1.78 r60
  text "(23,-22)" at 21.006,-25.146 h1.27
  text "GND" at -15.342,-26.187 h1.27 r335
  text "SIG" at -12.827,-27.483 h1.27 r335
  text "5V" at -10.236,-28.829 h1.27 r335
  text "GND" at -6.223,-31.572 h1.27
  text "GND" at 4.064,-31.572 h1.27
  text "(0,-32)" at -1.422,-34.417 h1.27
Top Solder:
  lines w0.025: -5.08,12.065 3.175,12.065 3.175,18.415 -5.08,18.415
  lines w0.051: -0.229,-5.69 -0.229,-3.734 3.277,-3.734 3.277,-5.69 -0.229,-5.69
Bottom Solder:
  lines w0.025: -20.32,5.08 3.175,5.08 3.175,11.43 -20.32,11.43 -20.32,5.08 ; -11.43,-27.305 -3.81,-27.305 -3.81,-22.225 -11.43,-22.225 -11.43,-27.305 ; -5.08,12.065 -5.08,18.415 3.175,18.415 3.175,12.065 -5.08,12.065 ; 1.27,-27.305 8.255,-27.305 8.255,-22.225 1.27,-22.225 1.27,-27.305 ; 4.445,8.89 ccw(c5.08,8.89) 5.08,8.255 12.065,8.255 ccw(c12.065,8.89) 12.7,8.89 12.7,16.51 ccw(c12.065,16.51) 12.065,17.145 10.16,17.145 cw(c10.16,18.415) 8.89,18.415 8.89,21.082 ccw(c8.382,21.082) 8.382,21.59 8.255,21.59 5.08,21.59 ccw(c5.08,20.955) 4.445,20.955 4.445,8.89